# Altium PCB MODULE_4x100_Fx_V1.0.PcbDoc (part 3 of 3)
Units mm, origin at the board's own origin, x right, y up, seen from the top; angles counter-clockwise.
Board outline 87.3 x 95.5 mm, 6 copper layers (Top Layer, Int1 (GND), Int2 (SIG/PWR), Int3 (PWR), Int4 (GND), Bottom Layer), stack 1.452 mm thick; 347 components, 196 nets, 1179 pads, 431 vias.
Unrouted connection lines stored in the file: 11.
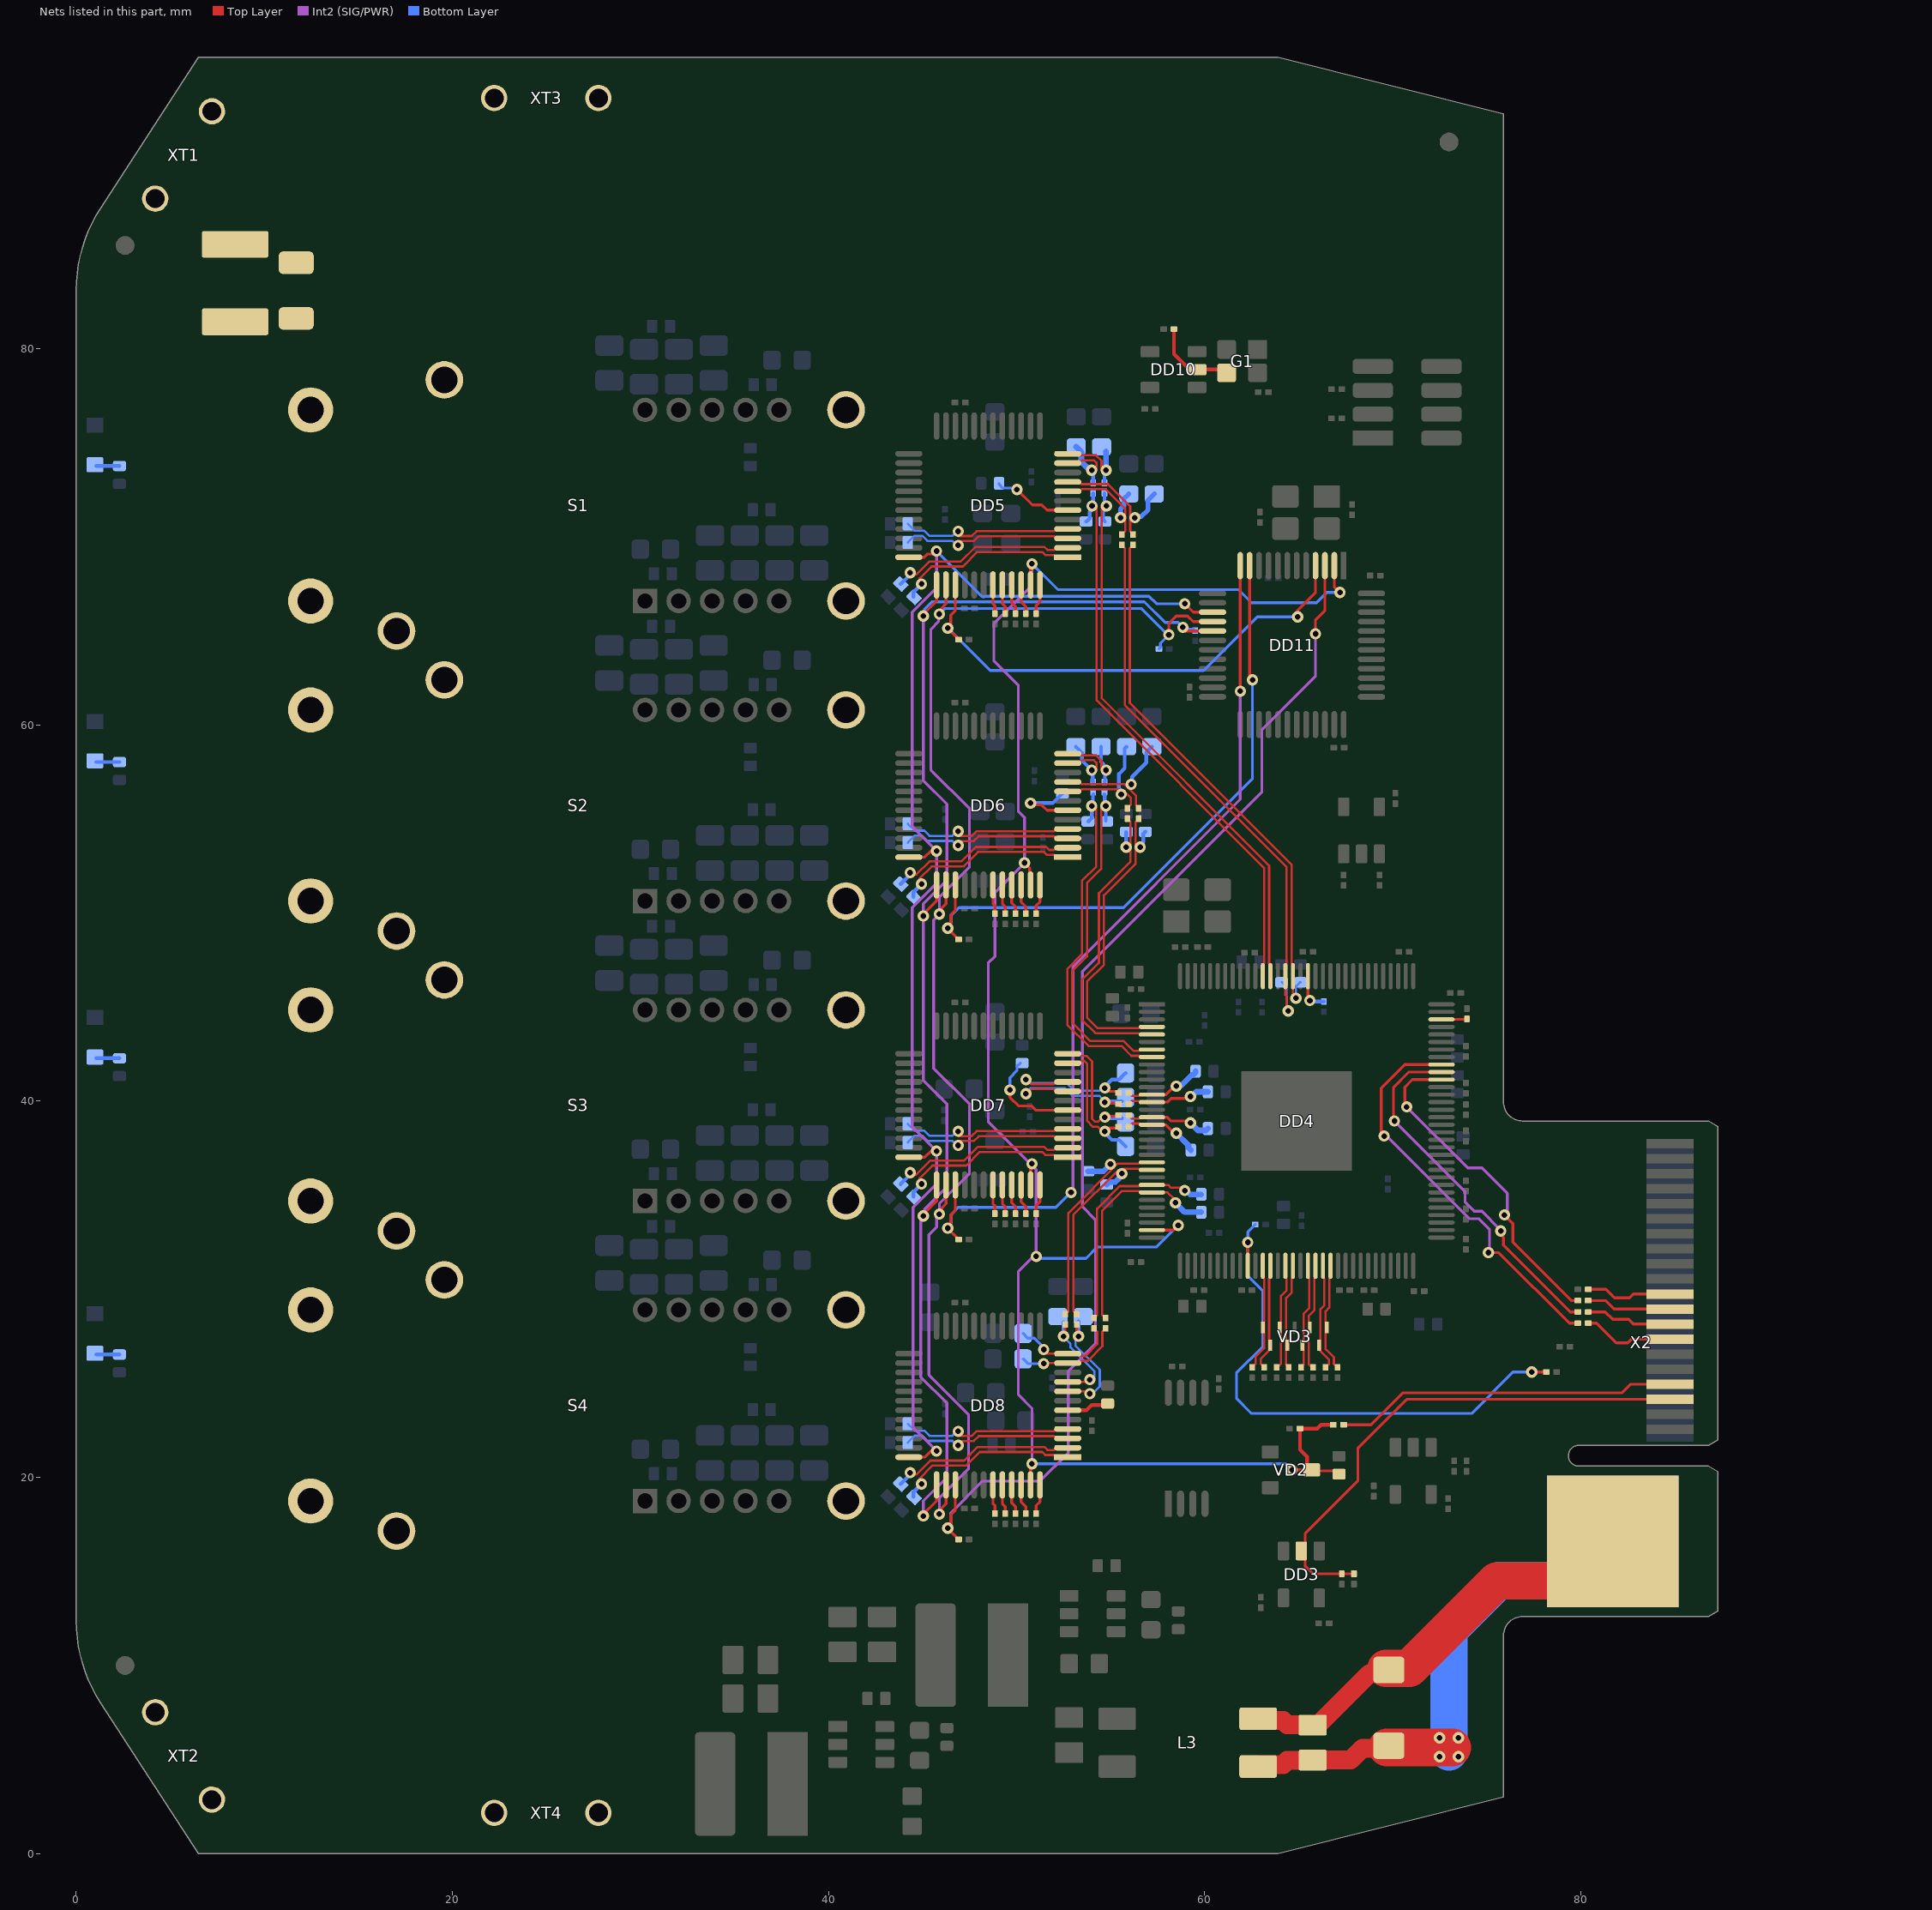
[diagram p7: the nets of this part, all layers, seen from the top]

## Via types
v1: diameter 0.6, hole 0.3, Top Layer to Bottom Layer, tented both sides, 421 vias
v2: diameter 0.6, hole 0.3, Top Layer to Bottom Layer, tented bottom, 9 vias
v3: diameter 0.65, hole 0.3, Top Layer to Bottom Layer, tented both sides, 1 vias

## Nets (pads, with @x,y where several pads share a name; then routed paths per layer and width w, separated by ;. In a path a pad name is that pad's centre, name@x,y a point inside that pad or via, vN(x,y) a via of type N, cw(c..) or ccw(c..) an arc to the next point about the centre after c; other vN are vias at no path point) (continued)
NetDD4_86: DD4.86 R21.2 | length 17.9
  Top Layer w0.15: v1@70.65,39.7 70.65,40.75 71.05,41.15 DD4.86@72.6,41.15 ; v1(75.95,33.95) 76.4,33.5 76.4,32.5 79.5,29.4 R21.2@79.85,29.4
  Int2 (SIG/PWR) w0.15: v1(70.75,39.7) 74,36.45 74.75,36.45 76.1,35.1 v1@76.1,34
NetDD4_87: DD4.87 R20.2 | length 19.4
  Top Layer w0.15: v1@70.05,38.8 70.05,40.75 70.85,41.55 DD4.87@72.6,41.55 ; v1@75.6,33.05 75.9,32.75 75.9,32.35 79.45,28.8 R20.2@79.85,28.8
  Int2 (SIG/PWR) w0.15: v1(70.1,38.95) 73.85,35.2 73.85,34.65 74.35,34.15 74.75,34.15 v1@75.7,33.2
  other v1: 75.75,33.1
NetDD4_88: DD4.88 R19.2 | length 21.8
  Top Layer w0.15: v1@69.55,38 69.4,38.15 69.4,40.7 70.65,41.95 DD4.88@72.6,41.95 ; v1(75.1,31.95) 75.65,31.95 79.4,28.2 R19.2@79.85,28.2
  Int2 (SIG/PWR) w0.15: v1(69.55,38.15) 69.7,38.15 74.1,33.75 74.6,33.75 75.15,33.2 v1@75.15,31.85
NetDD4_94: DD4.94 R26.2 | length 1.3
  Top Layer w0.15: DD4.94@72.6,44.35 R26.2@73.925,44.35
NetDD4_111: DD4.111 R24.1 | length 2.1
  Top Layer w0.15: v1@65.5,45.35 DD4.111@65.5,46.65
  Bottom Layer w0.2: v1(65.6,45.35) 65.645,45.305 R24.1@66.35,45.305
NetDD5_6: DD5.6 R37.1 | length 4.3
  Top Layer w0.15: v1(50.025,72.525) 50.85,71.7 51.35,71.7 51.625,71.425 DD5.6@52.725,71.425
  Bottom Layer w0.15: R37.1@49.075,72.85 49.075,72.799 49.272,72.602 49.323,72.602 49.325,72.6 49.95,72.6 v1(50.025,72.525)
NetDD5_43: DD5.43 R39.2 | length 1.6
  Top Layer w0.15: DD5.43@48.75,67.45 48.75,66.45 48.85,66.35 R39.2@48.85,65.925
NetDD5_44: DD5.44 R38.2 | length 1.6
  Top Layer w0.15: DD5.44@49.25,67.45 49.25,66.45 49.4,66.3 R38.2@49.4,65.925
NetDD5_45: DD5.45 R41.2 | length 1.6
  Top Layer w0.15: DD5.45@49.75,67.45 49.75,66.5 49.95,66.3 R41.2@49.95,65.925
NetDD5_46: DD5.46 R40.2 | length 1.6
  Top Layer w0.15: DD5.46@50.25,67.45 50.25,66.55 50.5,66.3 R40.2@50.5,65.925
NetDD5_48: DD5.48 R36.2 | length 1.6
  Top Layer w0.15: R36.2@51.05,65.925 51.05,66.35 51.25,66.55 DD5.48@51.25,67.45
NetDD6_6: DD6.6 R61.1 | length 4
  Top Layer w0.15: v1(50.75,55.85) 50.85,55.75 51.35,55.75 51.625,55.475 DD6.6@52.725,55.475
  Bottom Layer w0.2: v1(50.75,55.85) 51.925,55.85 R61.1@52.45,56.375
NetDD6_43: DD6.43 R63.2 | length 1.6
  Top Layer w0.15: DD6.43@48.75,51.5 48.75,50.5 48.85,50.4 R63.2@48.85,49.975
NetDD6_44: DD6.44 R62.2 | length 1.6
  Top Layer w0.15: DD6.44@49.25,51.5 49.25,50.5 49.4,50.35 R62.2@49.4,49.975
NetDD6_45: DD6.45 R65.2 | length 1.6
  Top Layer w0.15: DD6.45@49.75,51.5 49.75,50.55 49.95,50.35 R65.2@49.95,49.975
NetDD6_46: DD6.46 R64.2 | length 1.6
  Top Layer w0.15: DD6.46@50.25,51.5 50.25,50.6 50.5,50.35 R64.2@50.5,49.975
NetDD6_48: DD6.48 R60.2 | length 1.6
  Top Layer w0.15: R60.2@51.05,49.975 51.05,50.4 51.25,50.6 DD6.48@51.25,51.5
NetDD7_6: DD7.6 R84.1 | length 5.4
  Top Layer w0.15: v1(49.65,40.6) 49.65,40.2 50.1,39.75 50.8,39.75 51.025,39.525 DD7.6@52.725,39.525
  Bottom Layer w0.15: v1(49.65,40.6) 49.65,41.25 50.026,41.626 50.026,41.851 R84.1@50.2,42.025
NetDD7_43: DD7.43 R86.2 | length 1.6
  Top Layer w0.15: DD7.43@48.75,35.55 48.75,34.55 48.85,34.45 R86.2@48.85,34.025
NetDD7_44: DD7.44 R85.2 | length 1.6
  Top Layer w0.15: DD7.44@49.25,35.55 49.25,34.55 49.4,34.4 R85.2@49.4,34.025
NetDD7_45: DD7.45 R88.2 | length 1.6
  Top Layer w0.15: DD7.45@49.75,35.55 49.75,34.6 49.95,34.4 R88.2@49.95,34.025
NetDD7_46: DD7.46 R87.2 | length 1.6
  Top Layer w0.15: DD7.46@50.25,35.55 50.25,34.65 50.5,34.4 R87.2@50.5,34.025
NetDD7_48: DD7.48 R83.2 | length 1.6
  Top Layer w0.15: R83.2@51.05,34.025 51.05,34.45 51.25,34.65 DD7.48@51.25,35.55
NetDD8_6: DD8.6 R107.1 | length 2.3
  Top Layer w0.2: DD8.6@52.725,23.575 53.725,23.575 54,23.85 54.775,23.85 R107.1@54.85,23.925
NetDD8_43: DD8.43 R109.2 | length 1.6
  Top Layer w0.15: DD8.43@48.75,19.6 48.75,18.6 48.85,18.5 R109.2@48.85,18.075
NetDD8_44: DD8.44 R108.2 | length 1.6
  Top Layer w0.15: DD8.44@49.25,19.6 49.25,18.6 49.4,18.45 R108.2@49.4,18.075
NetDD8_45: DD8.45 R111.2 | length 1.6
  Top Layer w0.15: DD8.45@49.75,19.6 49.75,18.65 49.95,18.45 R111.2@49.95,18.075
NetDD8_46: DD8.46 R110.2 | length 1.6
  Top Layer w0.15: DD8.46@50.25,19.6 50.25,18.7 50.5,18.45 R110.2@50.5,18.075
NetDD8_48: DD8.48 R106.2 | length 1.6
  Top Layer w0.15: R106.2@51.05,18.075 51.05,18.5 51.25,18.7 DD8.48@51.25,19.6
NetDD10_2: DD10.2 G1.3 R130.1 | length 4.3
  Top Layer w0.2: R130.1@58.375,81.05 58.375,79.725 59.01,79.09 59.41,79.09 DD10.2@59.6,78.9 G1.3@61,78.9
NetHL1_A: HL1.A R29.2 | length 1.2
  Bottom Layer w0.2: HL1.A@1.062,73.775 R29.2@2.3,73.775
NetHL2_A: HL2.A R30.2 | length 1.2
  Bottom Layer w0.2: HL2.A@1.062,58.035 R30.2@2.3,58.035
NetHL3_A: HL3.A R31.2 | length 1.2
  Bottom Layer w0.2: HL3.A@1.062,42.285 R31.2@2.3,42.285
NetHL4_A: HL4.A R32.2 | length 1.2
  Bottom Layer w0.2: HL4.A@1.062,26.535 R32.2@2.3,26.535
P0_IN_N: C72.2 DD5.11 R52.1 | length 4.3
  Top Layer w0.119: DD5.11@52.725,73.925 53.344,73.925 53.497,74.078 54.12,74.078 54.25,73.948 v1@54.25,73.55
  Bottom Layer w0.2: v1@54,73.442 54.08,73.362 C72.2@54.08,72.875
  Bottom Layer w0.3: R52.1@53.176,74.79 53.45,74.516 53.45,74 53.75,73.7 53.769,73.7 53.919,73.55 v1(54,73.55)
P0_IN_P: C71.2 DD5.12 R53.1 | length 4.1
  Top Layer w0.119: DD5.12@52.725,74.425 53.344,74.425 53.423,74.346 54.231,74.346 54.518,74.059 v1@54.518,73.55
  Bottom Layer w0.2: C71.2@54.68,72.875 54.68,73.354 v1@54.768,73.442
  Bottom Layer w0.3: v1(54.768,73.55) R53.1@54.768,74.548
P0_OUT_N: C74.2 DD5.8 R42.1 | length 6.4
  Top Layer w0.119: DD5.8@52.725,72.425 53.344,72.425 53.46,72.541 54.759,72.541 55.782,71.518 55.782,70.307 C74.2@55.6,70.125
  Bottom Layer w0.25: v1(55.535,71.024) 55.535,71.485 55.712,71.662 55.712,72.026 R42.1@55.976,72.29
P0_OUT_P: C73.2 DD5.9 R47.1 | length 7.3
  Top Layer w0.119: DD5.9@52.725,72.925 53.344,72.925 53.46,72.809 54.87,72.809 56.05,71.629 56.05,70.305 56.2,70.155 C73.2@56.2,70.125
  Bottom Layer w0.25: v1(56.297,71.024) 56.364,71.09 56.64,71.09 57,71.45 57,71.964 R47.1@57.326,72.29
P1_IN_N: C92.2 DD6.11 R76.1 | length 4.2
  Top Layer w0.119: DD6.11@52.725,57.975 53.344,57.975 53.497,58.128 54.12,58.128 54.25,57.998 v1@54.25,57.6
  Bottom Layer w0.2: R76.1@53.15,58.85 53.476,58.524 53.476,58.124 v1(54,57.6) ; v1@54.056,57.536 54.056,56.999 C92.2@54.08,56.975
P1_IN_P: C91.2 DD6.12 R77.1 | length 4.4
  Top Layer w0.119: DD6.12@52.725,58.475 53.344,58.475 53.423,58.396 54.231,58.396 54.518,58.109 v1@54.518,57.6
  Bottom Layer w0.2: R77.1@54.5,58.85 54.5,58.05 54.635,57.915 54.635,57.841 54.768,57.708 v1(54.768,57.6) ; C91.2@54.68,56.975 54.704,56.999 v1@54.704,57.536
P1_OUT_N: C94.2 DD6.8 R66.1 | length 6.8
  Top Layer w0.119: DD6.8@52.725,56.475 53.344,56.475 53.46,56.591 v1@55.569,56.591 ; v1@55.735,56.485 56.082,56.139 56.082,55.757 C94.2@55.9,55.575
  Bottom Layer w0.2: v1(55.569,56.319) 55.492,56.396 55.492,56.594 55.45,56.636 55.45,57.4 55.75,57.7 55.75,58.75 R66.1@55.85,58.85
P1_OUT_P: C93.2 DD6.9 R71.1 | length 7.1
  Top Layer w0.119: DD6.9@52.725,56.975 53.344,56.975 53.46,56.859 55.741,56.859 56.35,56.25 56.35,55.725 C93.2@56.5,55.575
  Bottom Layer w0.2: v1(56.1,56.85) 56.149,56.899 56.149,57.249 56.9,58 56.9,58.55 R71.1@57.2,58.85
P2_IN_N: C111.2 DD7.11 R99.1 | length 7.5
  Top Layer w0.119: DD7.11@52.725,42.025 53.344,42.025 53.46,42.141 53.609,42.141 53.75,42 53.75,38.962 54.071,38.641 54.329,38.641 54.57,38.4 v1(54.7,38.4)
  Top Layer w0.15: v1(54.7,38.4) 54.875,38.575 55.325,38.575 55.4,38.65 C111.2@55.425,38.65
  Bottom Layer w0.2: v1@54.7,38.25 54.767,38.25 55.067,37.95 55.45,37.95 R99.1@55.8,37.6
P2_IN_P: C110.2 DD7.12 R100.1 | length 7
  Top Layer w0.119: DD7.12@52.725,42.525 53.344,42.525 53.46,42.409 53.72,42.409 54.018,42.111 54.018,39.073 54.182,38.909 54.329,38.909 54.57,39.15 v1(54.7,39.15)
  Top Layer w0.15: v1@54.75,39.05 54.9,39.2 55.375,39.2 C110.2@55.425,39.25
  Bottom Layer w0.2: v1@54.7,39.1 R100.1@55.6,39.1
P2_OUT_N: C113.2 DD7.8 R89.1 | length 8.5
  Top Layer w0.119: v1@50.5,40.35 50.791,40.641 51.99,40.641 52.106,40.525 DD7.8@52.725,40.525
  Top Layer w0.15: v1@54.8,39.9 55.375,39.9 C113.2@55.425,39.85
  Bottom Layer w0.119: v1@50.5,40.45 50.75,40.7 52.571,40.7 52.989,40.282 54.418,40.282 v1@54.7,40
  Bottom Layer w0.2: v1@54.7,40 R89.1@55.6,40
  other v1: 54.7,39.95 50.5,40.4
P2_OUT_P: C112.2 DD7.9 R94.1 | length 9.2
  Top Layer w0.119: v1@50.5,41.2 50.791,40.909 51.99,40.909 52.106,41.025 DD7.9@52.725,41.025
  Top Layer w0.15: v1(54.7,40.7) 54.875,40.525 55.325,40.525 55.4,40.45 C112.2@55.425,40.45
  Bottom Layer w0.119: v1@50.5,41.2 50.732,40.968 52.682,40.968 53.1,40.55 54.4,40.55 v1@54.7,40.85
  Bottom Layer w0.2: v1@54.7,40.85 54.767,40.85 55.067,41.15 55.45,41.15 R94.1@55.8,41.5
  other v1: 50.5,41.15
P3_IN_N: C130.2 DD8.11 R122.1 | length 5.7
  Top Layer w0.119: v1@51.45,26 51.525,26.075 DD8.11@52.725,26.075 53.344,26.075 53.46,26.191 53.781,26.191 54.568,26.978 54.568,27.757 C130.2@54.704,27.892
  Bottom Layer w0.15: R122.1@50.35,26.3 50.6,26.05 v1(51.45,26.05)
P3_IN_P: C129.2 DD8.12 R123.1 | length 5.6
  Top Layer w0.119: v1@51.45,26.65 51.525,26.575 DD8.12@52.725,26.575 53.344,26.575 53.46,26.459 53.67,26.459 54.3,27.089 54.3,27.738 C129.2@54.152,27.886
  Bottom Layer w0.15: R123.1@50.35,27.65 50.597,27.403 50.947,27.403 51.45,26.9 v1(51.45,26.8)
P3_OUT_N: C132.2 DD8.8 R112.1 | length 6.4
  Top Layer w0.119: DD8.8@52.725,24.575 53.675,24.575 v1@53.8,24.45 ; C132.2@53.2,28.125 53.2,27.6 v1@53.25,27.55
  Bottom Layer w0.119: v1(53.3,27.5) 53.3,27.456 53.137,27.293 53.137,27.013 54.429,25.721 54.429,24.829 v1@54,24.4
  Bottom Layer w0.2: v1(53.3,27.5) R112.1@53.3,28.3
  other v1: 53.9,24.45
P3_OUT_P: C131.2 DD8.9 R117.1 | length 5.6
  Top Layer w0.119: v1@52.55,27.55 52.6,27.6 C131.2@52.6,28.125 ; DD8.9@52.725,25.075 53.675,25.075 v1@53.8,25.2
  Bottom Layer w0.119: v1(52.5,27.5) 52.5,27.456 52.869,27.087 52.869,26.902 54.146,25.625 54.146,25.246 v1@54,25.1
  Bottom Layer w0.2: v1(52.5,27.5) R117.1@52.5,28.25
  other v1: 53.9,25.2
PORT0_FIBER_RX_N: C65.2 DD5.1 | length 9.7
  Top Layer w0.119: v1@44.847,67.492 44.847,67.797 45.482,68.432 47.15,68.432 47.918,69.2 51.371,69.2 51.53,69.041 51.99,69.041 52.106,68.925 DD5.1@52.725,68.925
  Bottom Layer w0.2: C65.2@44.518,66.821 44.518,67.068 v1(44.95,67.5)
PORT0_FIBER_RX_P: C64.2 DD5.2 | length 9.8
  Top Layer w0.119: v1@44.45,68 44.671,68 45.371,68.7 47.039,68.7 47.807,69.468 51.482,69.468 51.641,69.309 51.99,69.309 52.106,69.425 DD5.2@52.725,69.425
  Bottom Layer w0.2: C64.2@43.844,67.494 44.35,68 v1(44.35,68.1)
PORT0_FIBER_TX_N: C63.2 DD5.3 | length 9
  Top Layer w0.119: v1@46.9,69.782 47.732,69.782 47.991,70.041 51.99,70.041 52.106,69.925 DD5.3@52.725,69.925
  Bottom Layer w0.119: C63.2@44.225,69.7 44.591,70.066 44.984,70.066 45.259,69.791 46.59,69.791 46.831,69.55 v1(46.9,69.55)
PORT0_FIBER_TX_P: C62.2 DD5.4 | length 9
  Top Layer w0.119: v1@46.9,70.05 47.621,70.05 47.88,70.309 51.99,70.309 52.106,70.425 DD5.4@52.725,70.425
  Bottom Layer w0.119: C62.2@44.225,70.7 44.591,70.334 45.095,70.334 45.37,70.059 46.59,70.059 46.831,70.3 v1(46.9,70.3)
PORT0_RX_N: C72.1 DD4.117 R56.2 | length 30.3
  Top Layer w0.119: v1@54.265,71.65 54.265,61.309 63.166,52.408 63.166,47.333 63.1,47.267 DD4.117@63.1,46.65
  Bottom Layer w0.199: v1@54.08,71.712 C72.1@54.08,72.325
  Bottom Layer w0.2: R56.2@53.7,70.825 53.726,70.825 53.9,70.999 53.9,71.333 53.941,71.374 53.941,71.573 v1(54.018,71.65)
PORT0_RX_P: C71.1 DD4.116 R58.2 | length 30.3
  Top Layer w0.119: v1@54.533,71.65 54.533,61.42 63.434,52.519 63.434,47.333 63.5,47.267 DD4.116@63.5,46.65
  Bottom Layer w0.199: C71.1@54.68,72.325 54.68,71.859 v1@54.78,71.759 ; R58.2@54.7,70.825 54.6,70.925 54.6,71.361 54.78,71.541 v1(54.78,71.65)
PORT0_TX_N: C74.1 DD4.114 R54.2 | length 30.2
  Top Layer w0.119: C74.1@55.568,69.591 55.758,69.401 55.758,61.063 64.366,52.455 64.366,47.333 64.3,47.267 DD4.114@64.3,46.65 64.3,45.65 64.35,45.6 v1@64.35,44.8
  Bottom Layer w0.119: R54.2@64.1,46.325 64.138,46.325 64.35,46.113 64.35,45.11 64.358,45.102 64.358,44.892 v1(64.45,44.8)
PORT0_TX_P: C73.1 DD4.113 R55.2 | length 28.8
  Top Layer w0.119: C73.1@56.2,69.575 56.026,69.401 56.026,61.174 64.634,52.566 64.634,47.333 64.7,47.267 DD4.113@64.7,46.65 64.7,45.6 v1@64.85,45.45
  Bottom Layer w0.119: v1(64.863,45.475) 64.863,46.113 65.075,46.325 R55.2@65.1,46.325
PORT1_FIBER_RX_N: C85.2 DD6.1 | length 9.7
  Top Layer w0.119: v1@44.847,51.542 44.847,51.847 45.482,52.482 47.182,52.482 47.95,53.25 51.47,53.25 51.629,53.091 51.99,53.091 52.106,52.975 DD6.1@52.725,52.975
  Bottom Layer w0.2: C85.2@44.518,50.871 44.518,51.118 v1(44.95,51.55)
PORT1_FIBER_RX_P: C84.2 DD6.2 | length 9.8
  Top Layer w0.119: v1@44.45,52.05 44.671,52.05 45.371,52.75 47.071,52.75 47.839,53.518 51.581,53.518 51.74,53.359 51.99,53.359 52.106,53.475 DD6.2@52.725,53.475
  Bottom Layer w0.2: C84.2@43.844,51.544 44.35,52.05 v1(44.35,52.15)
PORT1_FIBER_TX_N: C83.2 DD6.3 | length 9
  Top Layer w0.119: v1@46.9,53.832 47.732,53.832 47.991,54.091 51.99,54.091 52.106,53.975 DD6.3@52.725,53.975
  Bottom Layer w0.119: C83.2@44.225,53.75 44.591,54.116 44.984,54.116 45.259,53.841 46.59,53.841 46.831,53.6 v1(46.9,53.6)
PORT1_FIBER_TX_P: C82.2 DD6.4 | length 9
  Top Layer w0.119: v1@46.9,54.1 47.621,54.1 47.88,54.359 51.99,54.359 52.106,54.475 DD6.4@52.725,54.475
  Bottom Layer w0.119: C82.2@44.225,54.75 44.591,54.384 45.095,54.384 45.37,54.109 46.59,54.109 46.831,54.35 v1(46.9,54.35)
PORT1_RX_N: C92.1 DD4.8 R80.2 | length 19
  Top Layer w0.119: v1@54.241,55.7 54.241,52.47 53.482,51.711 53.482,47.811 52.702,47.031 52.702,44.056 53.827,42.932 55.589,42.932 56.105,42.416 56.517,42.416 56.583,42.35 DD4.8@57.2,42.35
  Bottom Layer w0.2: R80.2@53.825,54.875 53.999,55.049 v1(53.999,55.7) ; v1@54.063,55.764 54.063,56.301 C92.1@54.087,56.325
PORT1_RX_P: C91.1 DD4.7 R81.2 | length 18.4
  Top Layer w0.119: v1@54.509,55.7 54.509,52.359 53.75,51.6 53.75,47.7 52.97,46.92 52.97,44.167 53.938,43.2 55.7,43.2 56.216,42.684 56.517,42.684 56.583,42.75 DD4.7@57.2,42.75
  Bottom Layer w0.2: C91.1@54.662,56.325 54.686,56.301 v1@54.686,55.764 ; R81.2@54.75,54.925 v1(54.75,55.7)
PORT1_TX_N: C94.1 DD4.5 R78.2 | length 16.7
  Top Layer w0.119: C94.1@55.9,55.025 56.068,54.857 56.068,52.747 54.382,51.061 54.382,47.361 53.482,46.461 53.482,44.333 54.199,43.616 56.517,43.616 56.583,43.55 DD4.5@57.2,43.55
  Bottom Layer w0.2: v1(55.828,53.511) R78.2@55.828,54.303
PORT1_TX_P: C93.1 DD4.4 R79.2 | length 16.4
  Top Layer w0.119: C93.1@56.5,55.025 56.336,54.861 56.336,52.636 54.65,50.95 54.65,47.25 53.75,46.35 53.75,44.444 54.31,43.884 56.517,43.884 56.583,43.95 DD4.4@57.2,43.95
  Bottom Layer w0.2: v1(56.579,53.511) 56.579,53.619 56.75,53.79 56.75,54.225 R79.2@56.85,54.325
PORT2_FIBER_RX_N: C104.2 DD7.1 | length 9.7
  Top Layer w0.119: v1@44.847,35.592 44.847,35.897 45.532,36.582 47.332,36.582 48.05,37.3 51.371,37.3 51.53,37.141 51.99,37.141 52.106,37.025 DD7.1@52.725,37.025
  Bottom Layer w0.2: C104.2@44.518,34.921 44.518,35.168 v1(44.95,35.6)
PORT2_FIBER_RX_P: C103.2 DD7.2 | length 9.8
  Top Layer w0.119: v1@44.45,36.1 44.671,36.1 45.421,36.85 47.221,36.85 47.939,37.568 51.482,37.568 51.641,37.409 51.99,37.409 52.106,37.525 DD7.2@52.725,37.525
  Bottom Layer w0.2: C103.2@43.844,35.594 44.35,36.1 v1(44.35,36.2)
PORT2_FIBER_TX_N: C102.2 DD7.3 | length 9
  Top Layer w0.119: v1@46.9,37.882 47.732,37.882 47.991,38.141 51.99,38.141 52.106,38.025 DD7.3@52.725,38.025
  Bottom Layer w0.119: C102.2@44.225,37.8 44.591,38.166 44.984,38.166 45.259,37.891 46.59,37.891 46.831,37.65 v1(46.9,37.65)
PORT2_FIBER_TX_P: C101.2 DD7.4 | length 9
  Top Layer w0.119: v1@46.9,38.15 47.621,38.15 47.88,38.409 51.99,38.409 52.106,38.525 DD7.4@52.725,38.525
  Bottom Layer w0.119: C101.2@44.225,38.8 44.591,38.434 45.095,38.434 45.37,38.159 46.59,38.159 46.831,38.4 v1(46.9,38.4)
PORT2_RX_N: C111.1 DD4.17 R103.2 | length 4
  Top Layer w0.119: C111.1@55.975,38.65 56.141,38.816 56.517,38.816 56.583,38.75 DD4.17@57.2,38.75
  Top Layer w0.15: DD4.17@57.207,38.743 57.957,38.743 58.3,38.4 v1@58.55,38.4
  Bottom Layer w0.3: v1(58.5,38.3) 59.15,37.65 59.15,37.525 R103.2@59.275,37.4
PORT2_RX_P: C110.1 DD4.16 R104.2 | length 4.5
  Top Layer w0.119: C110.1@55.975,39.25 56.141,39.084 56.517,39.084 56.583,39.15 DD4.16@57.2,39.15
  Top Layer w0.15: DD4.16@57.2,39.15 58.025,39.15 58.225,38.95 v1@59.15,38.95
  Bottom Layer w0.3: v1(59.25,38.85) 59.65,38.45 60.075,38.45 R104.2@60.175,38.55
PORT2_TX_N: C113.1 DD4.14 R101.2 | length 4.4
  Top Layer w0.119: C113.1@55.975,39.85 56.141,40.016 56.517,40.016 56.583,39.95 DD4.14@57.2,39.95
  Top Layer w0.15: DD4.14@57.2,39.95 58.025,39.95 58.225,40.15 v1@59.15,40.15
  Bottom Layer w0.3: v1(59.25,40.25) 59.314,40.25 59.564,40.5 R101.2@60.175,40.5
PORT2_TX_P: C112.1 DD4.13 R102.2 | length 4
  Top Layer w0.119: C112.1@55.975,40.45 56.141,40.284 56.517,40.284 56.583,40.35 DD4.13@57.2,40.35
  Top Layer w0.15: DD4.13@57.2,40.35 57.207,40.357 57.957,40.357 v1@58.3,40.7
  Bottom Layer w0.3: v1(58.5,40.8) 58.557,40.857 58.782,40.857 59.33,41.405 59.4,41.405 59.525,41.53 R102.2@59.525,41.6
PORT3_FIBER_RX_N: C123.2 DD8.1 | length 9.7
  Top Layer w0.119: v1@44.847,19.642 44.847,19.947 45.525,20.625 47.325,20.625 48.05,21.35 51.371,21.35 51.53,21.191 51.99,21.191 52.106,21.075 DD8.1@52.725,21.075
  Bottom Layer w0.2: C123.2@44.518,18.971 44.518,19.218 v1(44.95,19.65)
PORT3_FIBER_RX_P: C122.2 DD8.2 | length 9.8
  Top Layer w0.119: v1@44.45,20.15 44.671,20.15 45.414,20.893 47.214,20.893 47.939,21.618 51.482,21.618 51.641,21.459 51.99,21.459 52.106,21.575 DD8.2@52.725,21.575
  Bottom Layer w0.2: C122.2@43.844,19.644 44.35,20.15 v1(44.35,20.25)
PORT3_FIBER_TX_N: C121.2 DD8.3 | length 9
  Top Layer w0.119: v1@46.9,21.932 47.732,21.932 47.991,22.191 51.99,22.191 52.106,22.075 DD8.3@52.725,22.075
  Bottom Layer w0.119: C121.2@44.225,21.85 44.591,22.216 44.984,22.216 45.259,21.941 46.59,21.941 46.831,21.7 v1(46.9,21.7)
PORT3_FIBER_TX_P: C120.2 DD8.4 | length 9
  Top Layer w0.119: v1@46.9,22.2 47.621,22.2 47.88,22.459 51.99,22.459 52.106,22.575 DD8.4@52.725,22.575
  Bottom Layer w0.119: C120.2@44.225,22.85 44.591,22.484 45.095,22.484 45.37,22.209 46.59,22.209 46.831,22.45 v1(46.9,22.45)
PORT3_RX_N: C130.1 DD4.26 R126.2 | length 11.9
  Top Layer w0.119: C130.1@54.73,28.475 54.55,28.655 54.55,34.171 55.595,35.216 56.517,35.216 56.583,35.15 DD4.26@57.2,35.15 58.04,35.15 58.4,34.79 v1@58.4,34.7
  Bottom Layer w0.3: v1(58.45,34.6) 58.95,34.1 R126.2@59.825,34.1
PORT3_RX_P: C129.1 DD4.25 R127.2 | length 12.1
  Top Layer w0.119: C129.1@54.13,28.475 54.282,28.627 54.282,34.282 55.484,35.484 56.517,35.484 56.583,35.55 DD4.25@57.2,35.55 58.072,35.55 58.222,35.4 v1@58.95,35.4
  Bottom Layer w0.3: v1(58.95,35.25) 59.031,35.25 59.231,35.05 R127.2@59.825,35.05
PORT3_TX_N: C132.1 DD4.23 R124.2 | length 11.4
  Top Layer w0.119: C132.1@53.2,28.675 53.026,28.849 53.026,33.947 v1@55.415,36.335 ; v1@55.6,36.416 56.517,36.416 56.583,36.35 DD4.23@57.2,36.35
  Bottom Layer w0.3: R124.2@54.8,35.575 54.925,35.7 55.25,35.7 55.45,35.9 55.45,35.919 55.6,36.069 v1(55.6,36.15)
PORT3_TX_P: C131.1 DD4.22 R125.2 | length 12.4
  Top Layer w0.119: C131.1@52.6,28.675 52.758,28.833 52.758,34.058 55.384,36.684 56.517,36.684 56.583,36.75 DD4.22@57.2,36.75
  Bottom Layer w0.3: R125.2@53.8,36.275 54.625,36.275 v1(55,36.65)
PORT4_TXRX_A_N: C55.1 DD4.45 VD3.6 | length 5.7
  Top Layer w0.119: C55.1@63.175,25.85 62.982,26.043 62.982,26.303 63.434,26.755 63.434,30.567 63.5,30.633 DD4.45@63.5,31.25
PORT4_TXRX_A_P: C51.1 DD4.44 VD3.5 | length 5.7
  Top Layer w0.119: C51.1@62.525,25.85 62.714,26.039 62.714,26.414 63.166,26.866 63.166,30.567 63.1,30.633 DD4.44@63.1,31.25
PORT4_TXRX_B_N: C56.1 DD4.48 VD3.7 | length 5.6
  Top Layer w0.119: C56.1@64.475,25.85 64.337,25.988 64.337,29.537 64.634,29.834 64.634,30.567 64.7,30.633 DD4.48@64.7,31.25
PORT4_TXRX_B_P: C52.1 DD4.47 VD3.4 | length 5.7
  Top Layer w0.119: C52.1@63.865,25.833 64.069,26.037 64.069,29.648 64.366,29.945 64.366,30.567 64.3,30.633 DD4.47@64.3,31.25
PORT4_TXRX_C_N: C57.1 DD4.51 VD3.2 | length 5.7
  Top Layer w0.119: C57.1@65.747,25.823 65.538,26.032 65.538,28.588 65.834,28.884 65.834,30.567 65.9,30.633 DD4.51@65.9,31.25
PORT4_TXRX_C_P: C53.1 DD4.50 VD3.8 | length 5.6
  Top Layer w0.119: C53.1@65.122,25.841 65.27,25.989 65.27,28.699 65.566,28.995 65.566,30.567 65.5,30.633 DD4.50@65.5,31.25
PORT4_TXRX_D_N: C58.1 DD4.53 VD3.1 | length 5.8
  Top Layer w0.119: DD4.53@66.7,31.25 66.7,30.633 66.634,30.567 66.634,29.034 66.435,28.835 66.435,26.821 66.877,26.379 66.877,26.022 C58.1@67.074,25.825
PORT4_TXRX_D_P: C54.1 DD4.52 VD3.9 | length 5.8
  Top Layer w0.119: DD4.52@66.3,31.25 66.3,30.633 66.366,30.567 66.366,29.145 66.166,28.946 66.166,26.71 66.609,26.268 66.609,26.015 C54.1@66.444,25.851
RESET: R8.2 X2.7 | length 18.2
  Top Layer w0.15: R8.2@67.4,22.8 68.85,22.8 70.55,24.5 82.2,24.5 82.65,24.95 X2.7@84.75,24.95
SHIELD: C78.2 R57.1 XT1.1 XT2.1 XT3.1 XT4.1
SHIELD_ETH: C78.1 R57.2 S1.SH S2.SH S3.SH S4.SH
SPI_CS_P0: DD5.39 DD11.4 R33.2 | length 27.2
  Top Layer w0.15: v1@46.35,65.125 46.825,64.65 46.825,64.625 46.9,64.55 R33.2@46.925,64.55 ; v1(46.35,65.15) 46.5,65.3 46.5,65.85 46.75,66.1 DD5.39@46.75,67.45 ; v1(64.95,65.75) 64.95,66.1 65.9,67.05 DD11.4@65.9,68.475
  Bottom Layer w0.15: v1(46.35,65.15) 48.6,62.9 59.95,62.9 62.8,65.75 64.85,65.75 v1@64.95,65.85
SPI_CS_P1: DD6.39 DD11.11 R59.2 | length 34.5
  Top Layer w0.15: v1@46.35,49.175 46.825,48.7 46.825,48.675 46.9,48.6 R59.2@46.925,48.6 ; v1(46.35,49.2) 46.5,49.35 46.5,49.9 46.75,50.15 DD6.39@46.75,51.5 ; DD11.11@62.4,68.475 62.4,62.55 v1(62.55,62.4)
  Bottom Layer w0.15: v1(46.35,49.2) 46.35,49.322 46.5,49.472 46.5,49.85 46.95,50.3 55.7,50.3 62.55,57.15 v1(62.55,62.4)
SPI_CS_P2: DD7.39 DD11.12 R82.2 | length 48
  Top Layer w0.15: v1@46.35,33.225 46.825,32.75 46.825,32.725 46.9,32.65 R82.2@46.925,32.65 ; v1(46.35,33.25) 46.5,33.4 46.5,33.95 46.75,34.2 DD7.39@46.75,35.55 ; v1(61.9,61.8) DD11.12@61.9,68.475
  Int2 (SIG/PWR) w0.15: v1(52.9,35.15) 53,35.25 53,47.15 61.9,56.05 v1(61.9,61.8)
  Bottom Layer w0.15: v1(46.35,33.25) 46.35,33.372 46.5,33.522 46.5,33.95 46.9,34.35 52.1,34.35 v1(52.9,35.15)
SPI_CS_P3: DD8.39 DD11.3 R105.2 | length 65.1
  Top Layer w0.15: v1@46.35,17.275 46.825,16.8 46.825,16.775 46.9,16.7 R105.2@46.925,16.7 ; v1(46.35,17.3) 46.5,17.45 46.5,18 46.75,18.25 DD8.39@46.75,19.6 ; v1(65.9,64.85) 65.9,65.6 66.4,66.1 DD11.3@66.4,68.475
  Int2 (SIG/PWR) w0.15: v1(46.35,17.3) 46.35,17.422 46.5,17.572 46.5,18.1 48.2,19.8 51.25,19.8 52.75,21.3 52.75,25.65 54.2,27.1 54.2,33.7 53.5,34.4 53.5,46.9 63.05,56.45 63.05,59.75 65.9,62.6 v1(65.9,64.85)
SPI_MISO: DD5.38 DD6.38 DD7.38 DD8.38 DD11.16 R34.2 | length 75.6
  Top Layer w0.15: v1@45.95,18.3 46.25,18.6 DD8.38@46.25,19.6 ; v1@45.95,34.25 46.25,34.55 DD7.38@46.25,35.55 ; v1@45.95,50.2 46.25,50.5 DD6.38@46.25,51.5 ; v1@45.95,66.15 46.25,66.45 DD5.38@46.25,67.45 ; v1(58.1,64.8) 58.1,65.4 58.5,65.8 59.1,65.8 59.4,65.5 DD11.16@60.425,65.5
  Int2 (SIG/PWR) w0.15: v1(45.9,18.05) 45.9,18.9 47.45,20.45 47.45,23.35 45.35,25.45 45.35,32.9 45.749,33.299 45.749,33.849 v1(45.9,34) 45.9,34.55 47.5,36.15 47.5,39.85 45.6,41.75 45.6,49.637 45.9,49.937 v1(45.9,49.95) 45.9,50.85 47.5,52.45 47.5,55.55 45.45,57.6 45.45,65.1 45.854,65.504 45.854,65.854 v1(45.9,65.9)
  Bottom Layer w0.15: v1(45.9,65.9) 45.913,65.9 46.213,66.2 56.638,66.2 58.038,64.8 v1(58.1,64.8) 57.65,64.35 57.65,64.125 R34.2@57.575,64.05
SPI_MOSI: DD5.37 DD6.37 DD7.37 DD8.37 DD11.17 R35.2 | length 75.8
  Top Layer w0.15: v1(45.05,17.95) 45.05,18.05 45.75,18.75 DD8.37@45.75,19.6 ; v1(45.05,33.9) 45.05,34 45.75,34.7 DD7.37@45.75,35.55 ; v1(45.05,49.85) 45.05,49.95 45.75,50.65 DD6.37@45.75,51.5 ; v1(45.05,65.8) 45.05,65.9 45.75,66.6 DD5.37@45.75,67.45 ; v1@58.95,65 DD11.17@60.425,65
  Int2 (SIG/PWR) w0.15: v1(45.05,17.95) 45.05,18.75 46.3,20 46.3,23.95 44.913,25.337 44.913,33.763 v1(45.05,33.9) 45.121,33.971 45.121,34.271 46.3,35.45 46.3,39.85 45.05,41.1 v1(45.05,49.85) 45.05,50.5 46.3,51.75 46.3,55.8 45.05,57.05 v1(45.05,65.8)
  Bottom Layer w0.15: v1(45.05,65.8) 45.121,65.871 45.121,66.171 45.5,66.55 56.8,66.55 57.9,65.45 58.6,65.45 v1(58.85,65.2) ; v1@58.936,65.114 59.149,65.114 59.163,65.1 59.425,65.1 R35.2@59.5,65.025
SPI_SCK: DD5.36 DD6.36 DD7.36 DD8.36 DD11.15 | length 73.5
  Top Layer w0.15: DD8.36@44.275,21.075 45.125,21.075 45.45,21.4 v1(45.75,21.4) ; DD7.36@44.275,37.025 45.125,37.025 45.45,37.35 v1(45.75,37.35) ; DD6.36@44.275,52.975 45.125,52.975 45.45,53.3 v1(45.75,53.3) ; DD5.36@44.275,68.925 45.089,68.925 45.254,69.091 45.591,69.091 v1(45.75,69.25) ; v1(58.95,66.45) 59.4,66 DD11.15@60.425,66
  Int2 (SIG/PWR) w0.15: v1(45.75,21.4) 44.5,22.65 44.5,34.35 45.75,35.6 v1(45.75,37.35) 44.45,38.65 44.45,50.3 45.75,51.6 v1(45.75,53.3) 44.45,54.6 44.45,66 45.75,67.3 v1(45.75,69.25)
  Bottom Layer w0.15: v1(45.75,69.25) 48.15,66.85 57.05,66.85 57.45,66.45 v1(58.95,66.45)
SW_INT: DD4.42 R7.1 R18.1 | length 29.3
  Top Layer w0.15: DD4.42@62.3,31.25 v1(62.3,32.5) ; v1(77.4,25.6) R7.1@78.175,25.6
  Bottom Layer w0.15: R18.1@62.7,33.45 62.3,33.05 v1(62.3,32.5) 62.3,30.7 63.1,29.9 63.1,26.95 61.7,25.55 61.7,24.2 62.5,23.4 74.2,23.4 76.4,25.6 v1(77.4,25.6)
SWITCH_ADDR1: R19.1 X2.13 | length 4.9
  Top Layer w0.15: R19.1@80.4,28.2 80.85,28.2 81.9,27.15 82.502,27.15 82.702,27.35 X2.13@84.75,27.35
SWITCH_ADDR2: R20.1 X2.15 | length 4.6
  Top Layer w0.15: R20.1@80.4,28.8 81.3,28.8 81.7,28.4 82.55,28.4 82.8,28.15 X2.15@84.75,28.15
SWITCH_ADDR3: R21.1 X2.17 | length 4.5
  Top Layer w0.15: R21.1@80.4,29.4 81.324,29.4 81.774,28.95 X2.17@84.75,28.95
SWITCH_ADDR4: R22.1 X2.19 | length 4.6
  Top Layer w0.15: R22.1@80.4,30 81.35,30 81.8,29.55 82.6,29.55 82.8,29.75 X2.19@84.75,29.75
SYNC: DD3.2 R11.1 R13.1 X2.5 | length 28
  Top Layer w0.15: DD3.2@65.15,16.09 65.349,15.891 65.349,15.293 65.767,14.875 R11.1@67.3,14.875 R13.1@67.95,14.875 ; DD3.2@65.349,16.09 65.349,16.999 68.15,19.8 68.15,21.55 70.75,24.15 X2.5@84.75,24.15
SYS_RESET: C19.2 DD4.31 DD5.47 DD6.47 DD7.47 DD8.47 DD11.2 R8.1 R12.1 VD2.3 | length 106.4
  Top Layer w0.15: v1(50.425,52.675) 50.7,52.4 50.7,51.55 DD6.47@50.75,51.5 ; DD8.47@50.75,19.6 50.75,20.65 v1(50.825,20.725) ; DD7.47@50.75,35.55 50.75,36.6 v1(50.825,36.675) ; DD5.47@50.75,67.45 50.75,68.5 v1(50.825,68.575) ; DD4.31@57.2,33.15 58.35,33.15 v1(58.6,33.4) ; v1(64.65,20.4) VD2.3@65.696,20.4 ; VD2.3@65.5,20.35 65.696,20.35 C19.2@67.15,20.35 ; DD11.2@66.9,68.475 66.9,67.35 v1(67.2,67.05)
  Top Layer w0.2: VD2.3@65.696,20.4 65.45,20.646 65.45,21.1 65.075,21.475 R12.1@65.075,22.6 66,22.6 66.2,22.8 R8.1@66.85,22.8
  Int2 (SIG/PWR) w0.15: v1(50.825,20.725) 50.825,23.675 50.1,24.4 50.1,30.95 51.05,31.9 51.05,36.362 48.5,38.912 48.5,47.35 48.85,47.7 48.85,51.1 v1(50.425,52.675) 50.425,55.075 50.1,55.4 50.1,62.1 48.8,63.4 48.8,65.4 50.825,67.425 v1(50.825,68.575)
  Bottom Layer w0.15: v1(50.825,20.725) 64.325,20.725 v1(64.65,20.4) ; v1(50.825,68.575) 52.2,67.2 61.8,67.2 62.5,66.5 65.95,66.5 66.5,67.05 v1(67.2,67.05) ; v1@51.05,31.65 53.7,31.65 54.3,32.25 57.45,32.25 v1(58.6,33.4)
  other v1: 51.05,31.75
VIN+: C5.2 L3.2 VD1.2 X2.P1 | length 23.2
  Top Layer w1: L3.2@62.85,7.17 62.95,7.07 64.18,7.07 64.399,6.851 65.729,6.851 C5.2@65.75,6.83 65.8,6.88 66.08,6.88 68.765,9.565 69.6,9.565 VD1.2@69.8,9.765
  Top Layer w2: VD1.2@69.65,9.85 70.885,9.85 75.535,14.5 79.6,14.5 X2.P1@81.7,16.6
VIN-: C5.1 L3.1 VD1.1 X2.P2 | length 28
  Top Layer w1: L3.1@62.85,4.63 62.95,4.73 64.18,4.73 64.399,4.949 65.729,4.949 C5.1@65.75,4.97 67.77,4.97 68.398,5.598 69.663,5.598 69.7,5.635 VD1.1@69.8,5.735
  Top Layer w2: VD1.1@69.7,5.635 73.185,5.635
  Bottom Layer w2: 73,5.4 73,11.9 75.6,14.5 79.6,14.5 X2.P2@81.7,16.6
  other v1: 72.5,5.15 73.5,5.15 72.5,6.15 73.5,6.15
pads on no net: 1.FM 2.FM 3.FM 4.FM 5.FM ?.FM BQ1.2 BQ1.4 BQ2.2 BQ2.4 DD1.1 DD3.1 DD4.9 DD4.10 DD4.11 DD4.12 DD4.18 DD4.19 DD4.20 DD4.21 DD4.27 DD4.28 DD4.29 DD4.30 DD4.39 DD4.55 DD4.56 DD4.58 DD4.59 DD4.62 DD4.63 DD4.66 DD4.67 DD4.68 DD4.69 DD4.71 DD4.72 DD4.74 DD4.75 DD4.76 DD4.77 DD4.78 DD4.81 DD4.90 DD4.91 DD4.92 DD4.93 DD4.95 DD4.97 DD4.98 DD4.100 DD4.101 DD4.102 DD4.103 DD4.104 DD4.106 DD4.107 DD4.108 DD4.109 DD4.110 DD4.119 DD4.120 DD4.121 DD4.122 DD4.128 DD5.13 DD5.15 DD5.16 DD5.17 DD5.18 DD5.19 DD5.20 DD5.23 DD5.24 DD5.25 DD5.26 DD5.27 DD5.28 DD5.29 DD5.30 DD5.33 DD5.34 DD5.35 DD6.13 DD6.15 DD6.16 DD6.17 DD6.18 DD6.19 DD6.20 DD6.23 DD6.24 DD6.25 DD6.26 DD6.27 DD6.28 DD6.29 DD6.30 DD6.33 DD6.34 DD6.35 DD7.13 DD7.15 DD7.16 DD7.17 DD7.18 DD7.19 DD7.20 DD7.23 DD7.24 DD7.25 DD7.26 DD7.27 DD7.28 DD7.29 DD7.30 DD7.33 DD7.34 DD7.35 DD8.13 DD8.15 DD8.16 DD8.17 DD8.18 DD8.19 DD8.20 DD8.23 DD8.24 DD8.25 DD8.26 DD8.27 DD8.28 DD8.29 DD8.30 DD8.33 DD8.34 DD8.35 DD11.10 DD11.13 DD11.14 DD11.18 DD11.19 DD11.20 DD11.21 DD11.22 DD11.25 DD11.28 DD11.29 DD11.30 DD11.31 DD11.32 DD11.33 DD11.38 DD11.39 DD11.40 DD11.41 DD11.42 DD11.43 DD11.45 DD11.46 S1.3 S1.8 S2.3 S2.8 S3.3 S3.8 S4.3 S4.8 VD2.2 X2.2 X2.8 X2.11 X2.12 X2.14 X2.37 X2.39 XT1.0 XT2.0 XT3.0 XT4.0

## Polygon pours and split planes (outlines as drawn)
+1V8 on Int2 (SIG/PWR) "+1V8" (solid, pour order 0): 56.675,29.575 56.727,29.45 56.727,20.55 56.675,20.425 51.275,15.025 51.15,14.973 40.173,14.973 38.977,13.777 38.977,0 63.9,0 75.9,3 75.9,11.6 cw(c76.9,11.6) 76.9,12.6 86.8,12.6 87.3,12.9 87.3,20.3 86.8,20.6 79.9,20.6 cw(c79.9,21.15) 79.9,21.7 86.8,21.7 87.3,22 87.3,38.65 86.8,38.95 76.9,38.95 cw(c76.9,39.95) 75.9,39.95 75.9,46.573 55.123,46.573 53.7,45.15 53.7,32.55
SHIELD_ETH on Int1 (GND) (split plane): 28.948,90.704 27.422,89.178 27.382,89.126 27.356,89.065 27.348,89 27.348,6.6 27.356,6.535 27.382,6.474 27.422,6.422 29.298,4.546 29.298,0.51 6.777,0.51 1.719,8.3 1.717,8.302 1.715,8.305 1.714,8.307 1.574,8.527 1.393,8.847 1.228,9.176 1.079,9.512 0.946,9.855 0.831,10.204 0.733,10.558 0.652,10.917 0.589,11.28 0.544,11.645 0.517,12.011 0.509,12.361 0.51,12.379 0.51,83.121 0.509,83.139 0.517,83.489 0.544,83.855 0.589,84.22 0.652,84.583 0.733,84.942 0.831,85.296 0.946,85.645 1.079,85.988 1.228,86.324 1.393,86.653 1.574,86.973 1.714,87.193 1.715,87.195 1.717,87.198 1.719,87.2 6.777,94.99 28.948,94.99
GND on Int1 (GND) (split plane): 170 vertices, not listed, extent 27.852,0.51 86.79,94.99
+1V0 on Int1 (GND) (split plane): 65.874,48.748 65.874,47.9 65.879,47.871 65.896,47.846 66.896,46.846 66.911,46.836 66.921,46.829 66.95,46.824 73.018,46.824 73.224,46.618 73.224,41.8 73.229,41.771 73.246,41.746 74.046,40.946 74.071,40.929 74.1,40.924 75.39,40.924 75.39,40.226 74.55,40.226 74.521,40.221 74.508,40.212 74.496,40.204 73.946,39.654 73.929,39.629 73.924,39.6 73.924,34.3 73.929,34.271 73.946,34.246 74.974,33.218 74.974,32.632 74.118,31.776 70.7,31.776 70.671,31.771 70.661,31.764 70.646,31.754 67.768,28.876 67.232,28.876 67.076,29.032 67.076,31.7 67.071,31.729 67.062,31.742 67.054,31.754 66.204,32.604 66.179,32.621 66.15,32.626 63.55,32.626 63.521,32.621 63.496,32.604 62.796,31.904 62.779,31.879 62.774,31.85 62.774,29.132 62.518,28.876 62.182,28.876 62.026,29.032 62.026,43.75 62.021,43.779 62.004,43.804 60.626,45.182 60.626,45.568 61.049,45.991 64.551,45.991 64.58,45.997 64.605,46.013 65.014,46.423 65.022,46.435 65.031,46.448 65.036,46.477 65.036,48.85 65.21,49.024 65.598,49.024
+3V3 on Int3 (PWR) (split plane): 75.39,92.101 75.39,39.95 75.39,39.948 75.399,39.781 75.427,39.614 75.474,39.451 75.539,39.295 75.621,39.146 75.719,39.008 75.832,38.882 75.958,38.769 76.096,38.671 76.245,38.589 76.401,38.524 76.564,38.477 76.731,38.449 76.857,38.442 76.864,38.441 76.874,38.441 76.898,38.44 76.9,38.44 86.659,38.44 86.79,38.361 86.79,22.289 86.659,22.21 79.9,22.21 79.894,22.21 79.762,22.201 79.626,22.174 79.494,22.13 79.37,22.068 79.255,21.991 79.15,21.9 79.059,21.795 78.982,21.68 78.92,21.556 78.876,21.424 78.849,21.288 78.84,21.15 78.849,21.012 78.876,20.876 78.92,20.744 78.982,20.62 79.059,20.505 79.15,20.4 79.255,20.309 79.37,20.232 79.494,20.17 79.626,20.126 79.762,20.099 79.894,20.09 79.9,20.09 86.659,20.09 86.79,20.011 86.79,13.189 86.659,13.11 76.9,13.11 76.898,13.11 76.731,13.101 76.564,13.073 76.401,13.026 76.245,12.961 76.096,12.879 75.958,12.781 75.832,12.668 75.719,12.542 75.621,12.404 75.539,12.255 75.474,12.099 75.427,11.936 75.399,11.769 75.39,11.602 75.39,11.6 75.39,3.399 63.837,0.51 29.802,0.51 29.802,4.65 29.794,4.715 29.768,4.776 29.728,4.828 27.852,6.704 27.852,88.896 29.378,90.422 29.418,90.474 29.444,90.535 29.452,90.6 29.452,94.99 63.837,94.99
+2V5_EXT on Int3 (PWR) (split plane): 81.574,35.518 81.574,33.882 76.346,28.654 76.329,28.629 76.324,28.6 76.324,20.332 66.718,10.726 65.732,10.726 65.376,11.082 65.376,12.068 74.554,21.246 74.562,21.258 74.571,21.271 74.576,21.3 74.576,29.518 80.832,35.774 81.318,35.774
+3V3_P2 on Int3 (PWR) (split plane): 52.374,39.968 52.374,38.982 51.818,38.426 51.132,38.426 48.776,40.782 48.776,42.418 49.082,42.724 49.618,42.724
GND on Int4 (GND) (split plane): 75.39,92.101 75.39,39.95 75.39,39.948 75.399,39.781 75.427,39.614 75.474,39.451 75.539,39.295 75.621,39.146 75.719,39.008 75.832,38.882 75.958,38.769 76.096,38.671 76.245,38.589 76.401,38.524 76.564,38.477 76.731,38.449 76.857,38.442 76.864,38.441 76.874,38.441 76.898,38.44 76.9,38.44 86.659,38.44 86.79,38.361 86.79,22.289 86.659,22.21 79.9,22.21 79.894,22.21 79.762,22.201 79.626,22.174 79.494,22.13 79.37,22.068 79.255,21.991 79.15,21.9 79.059,21.795 78.982,21.68 78.92,21.556 78.876,21.424 78.849,21.288 78.84,21.15 78.849,21.012 78.876,20.876 78.92,20.744 78.982,20.62 79.059,20.505 79.15,20.4 79.255,20.309 79.37,20.232 79.494,20.17 79.626,20.126 79.762,20.099 79.894,20.09 79.9,20.09 86.659,20.09 86.79,20.011 86.79,13.189 86.659,13.11 76.9,13.11 76.898,13.11 76.731,13.101 76.564,13.073 76.401,13.026 76.245,12.961 76.096,12.879 75.958,12.781 75.832,12.668 75.719,12.542 75.621,12.404 75.539,12.255 75.474,12.099 75.427,11.936 75.399,11.769 75.39,11.602 75.39,11.6 75.39,3.399 63.837,0.51 29.802,0.51 29.802,4.65 29.794,4.715 29.768,4.776 29.728,4.828 27.852,6.704 27.852,88.896 29.378,90.422 29.418,90.474 29.444,90.535 29.452,90.6 29.452,94.99 63.837,94.99

## Other copper
Top Layer:
  rectangle net SHIELD_ETH: 6.25,13.35 23.5,82.25
  region net +1V8: 40,14.35 40,12.113 43.6,12.113 43.6,14.35
  region net GND: 43.6,8.95 43.6,11.187 40,11.187 40,8.95
  rectangle net GND: 36.402,7.348 38.552,11.148
  rectangle net +3V3: 32.902,5.398 35.052,11.148
  region net SHIELD: 12.7,84.2 cw(c12.35,84.2) 12.35,83.85 11.074,83.85 cw(c11.074,84.874) 10.35,84.15 ccw(c9.384,83.184) 9.384,84.55 7.236,84.55 cw(c7.236,86.086) 6.15,85 cw(c7.145,85.995) 5.738,85.995 5.738,86.95 cw(c7.64,86.95) 6.295,88.295 8.065,90.065 cw(c8.15,89.979) 8.15,90.1 ccw(c8.633,89.617) 7.95,89.617 7.95,89.1 ccw(c9.157,89.1) 8.304,88.246 8.5,88.05 ccw(c10.552,90.102) 10.552,87.2 11.15,87.2 cw(c11.15,85.65) 12.7,85.65
Bottom Layer:
  rectangle net +3V3: 48.2,60.24 49.55,62
  rectangle net +3V3_P1: 48.2,57.8 49.55,59.56
  rectangle net +3V3_P0: 48.2,73.75 49.55,75.51
  rectangle net +3V3: 48.2,76.19 49.55,77.95
Int1 (GND) (plane layer: these items are gaps in the copper):
  lines w0.15: 60.55,45.15 61.95,43.75 61.95,29 62.15,28.8 62.55,28.8 62.85,29.1 62.85,31.85 63.55,32.55 66.15,32.55 67,31.7 67,29 67.2,28.8 67.8,28.8 70.7,31.7 74.15,31.7 75.05,32.6 75.05,33.25 74,34.3 74,39.6 74.55,40.15 75.5,40.15 75.65,40.3 75.65,40.85 75.5,41 74.1,41 73.3,41.8 73.3,46.65 73.05,46.9 66.95,46.9 65.95,47.9 65.95,48.78 65.63,49.1 65.179,49.1 64.96,48.881 64.96,46.477 64.551,46.068 61.018,46.068 60.55,45.6 60.55,45.15
  lines w0.5: 29.2,95.5 29.2,90.6 27.6,89 27.6,6.6 29.55,4.65 29.55,0
Int3 (PWR) (plane layer: these items are gaps in the copper):
  region: 29.2,95.5 29.2,90.6 27.6,89 27.6,6.6 29.55,4.65 29.55,0 6.5,0 1.291,8.022 cw(c4.407,11.138) 0,11.138 0,84.362 cw(c4.407,84.362) 1.291,87.478 6.5,95.5
  lines w0.15: 48.7,40.75 51.1,38.35 51.85,38.35 52.45,38.95 52.45,40 49.65,42.8 49.05,42.8 48.7,42.45 48.7,40.75 ; 65.3,11.05 65.7,10.65 66.75,10.65 76.4,20.3 76.4,28.6 81.65,33.85 81.65,35.55 81.35,35.85 80.8,35.85 74.5,29.55 74.5,21.3 65.3,12.1 65.3,11.05
  lines w0.5: 29.2,95.5 29.2,90.6 27.6,89 27.6,6.6 29.55,4.65 29.55,0
Int4 (GND) (plane layer: these items are gaps in the copper):
  region: 29.2,95.5 29.2,90.6 27.6,89 27.6,6.6 29.55,4.65 29.55,0 6.5,0 1.291,8.022 cw(c4.407,11.138) 0,11.138 0,84.362 cw(c4.407,84.362) 1.291,87.478 6.5,95.5
  lines w0.5: 29.2,95.5 29.2,90.6 27.6,89 27.6,6.6 29.55,4.65 29.55,0

## Silkscreen, mask and mechanical layers (free items; w line width, h text height)
Top Overlay:
  region: 53.05,88.95 38.35,88.95 38.35,82.95 53.05,82.95
  text "MODULE_4x100_Fx_V1.0" at 35.75,90.4 h1.2
Bottom Overlay:
  region: 53.1,88.5 38.4,88.5 38.4,82.5 53.1,82.5
  text "MODULE_4x100_Fx_V1.0" at 54.85,90.5 h1.2
Top Environment:
  lines w0.1: -2.2,10.935 ccw(c1.8,10.935) -1.555,8.756 ; -2.2,10.935 -2.2,84.565 ; -2.2,10.935 -0.2,10.935 ; -2.2,84.565 cw(c1.8,84.565) -1.555,86.744 ; -2.2,84.565 -0.2,84.565 ; -1.555,8.756 5.806,-2.579 ; -1.555,8.756 0.123,9.846 ; -1.555,86.744 5.806,98.079 ; -1.555,86.744 0.123,85.654 ; -0.2,10.935 ccw(c1.8,10.935) 0.123,9.846 ; -0.2,10.935 -0.2,84.565 ; -0.2,84.565 cw(c1.8,84.565) 0.123,85.654 ; 0.123,9.846 7.484,-1.489 ; 0.123,85.654 7.484,96.989 ; 5.806,-2.579 ccw(c9.161,-0.4) 9.161,-4.4 ; 5.806,-2.579 7.484,-1.489 ; 5.806,98.079 cw(c9.161,95.9) 9.161,99.9 ; 5.806,98.079 7.484,96.989 ; 7.484,-1.489 ccw(c9.161,-0.4) 9.161,-2.4 ; 7.484,96.989 cw(c9.161,95.9) 9.161,97.9 ; 9.161,-4.4 14.989,-4.4 ; 9.161,-4.4 9.161,-2.4 ; 9.161,-2.4 14.989,-2.4 ; 9.161,97.9 14.989,97.9 ; 9.161,97.9 9.161,99.9 ; 9.161,99.9 14.989,99.9 ; 14.989,-4.4 19.989,-4.4 19.989,-2.4 14.989,-2.4 ; 14.989,-4.4 14.989,-2.4 ; 14.989,97.9 19.989,97.9 19.989,99.9 14.989,99.9 ; 14.989,97.9 14.989,99.9
  text "h=17,1mm" at 33.35,-5.95 h4
Bottom Environment:
  text "h=3,25mm" at 33.1,-9.85 h4
Board:
  the board outline again, w0.1

## Text inside footprints (layer, text, board x,y; h text height)
S1: Courtyard Top "Front surface" at -4.635,75.955 h1 r270
S2: Courtyard Top "Front surface" at -4.635,60.005 h1 r270
S3: Courtyard Top "Front surface" at -4.635,44.055 h1 r270
S4: Courtyard Top "Front surface" at -4.635,28.105 h1 r270
X2: Fab Notes "Chamfer 0,45mm x 30° (both sides)" at 90.622,40.271 h1 r90; Fab Notes "Фаска 0,45mm x 30° (с обеих сторон)" at 89.552,40.331 h1 r90